# Altium PCB mantarray_beta2_sensor_arrayed.PcbDoc (part 11 of 14) (continued)
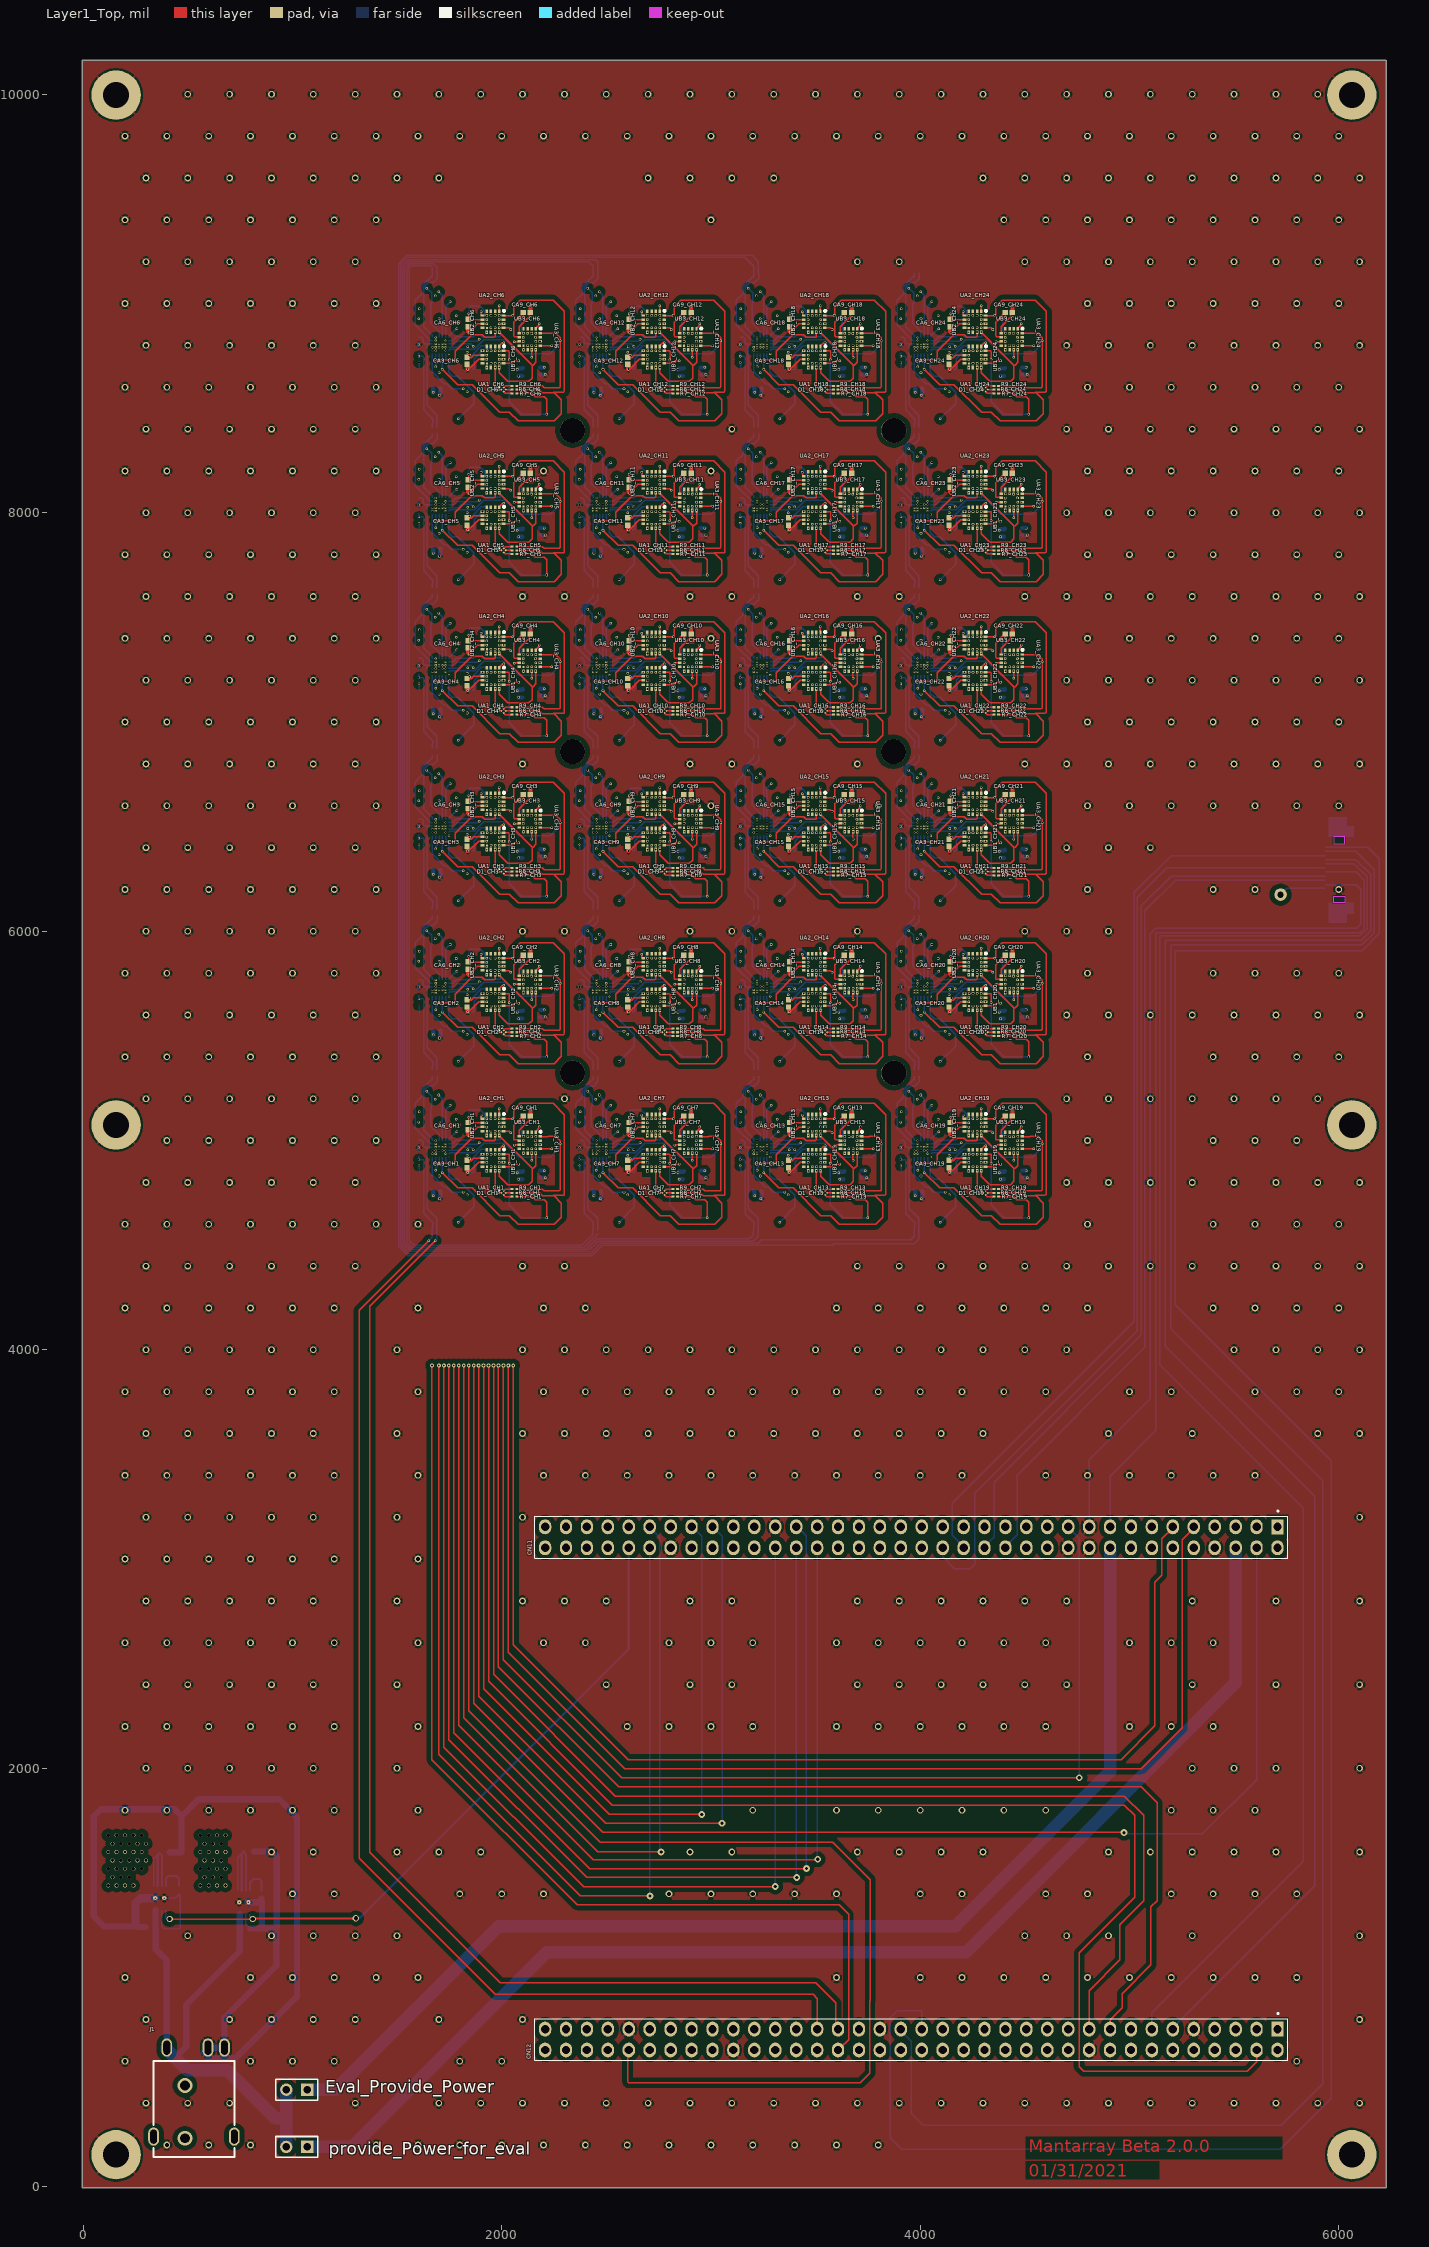
[diagram p0: Layer1_Top view]
## Nets (pads, with @x,y where several pads share a name; then routed paths per layer and width w, separated by ;. In a path a pad name is that pad's centre, name@x,y a point inside that pad or via, vN(x,y) a via of type N, cw(c..) or ccw(c..) an arc to the next point about the centre after c; other vN are vias at no path point) (continued)
  Layer1_Top w6: UB1_CH9.5@2755.91,6491.14 2755.91,6494.09 2770.51,6508.69 2776.41,6508.69 v1(2777.56,6509.84) ; UB2_CH9.5@2755.91,6660.43 v1(2755.91,6687.01) ; UB3_CH9.5@2931.1,6575.79 2931.1,6578.74 2945.7,6593.34 2945.7,6599.25 v1(2946.85,6600.39)
  Layer2_sig1 w6: v1(2755.91,6600.39) 2773.62,6618.11 2791.76,6618.11 2795.28,6621.62 2795.28,6655.93 2764.66,6686.55 2756.36,6686.55 v1(2755.91,6687.01) ; v1(2756.89,6430.82) 2774.89,6448.82 2809.32,6448.82 2812.83,6452.33 2812.83,6488.61 2792.56,6508.89 2778.51,6508.89 v1(2777.56,6509.84) ; v1(2931.1,6515.75) 2958.66,6543.31 2958.66,6588.58 v1(2946.85,6600.39)
  Layer7_sig2 w6: v3(2500,6503.94) 2500.41,6504.35 2614.58,6504.35 2620.08,6509.84 2757.87,6509.84 ; v1(2755.91,6687.01) 2757.43,6687.01 2767.28,6696.85 2836.05,6696.85 2839.57,6693.34 2839.57,6603.35 ; v1(2777.56,6509.84) 2757.87,6509.84 ; v1(2946.85,6600.39) 2933.07,6614.17 2850.39,6614.17 2839.57,6603.35 ; 2757.87,6509.84 2757.87,6515.75 2761.81,6519.69 2809.06,6519.69 2828.74,6539.37 2828.74,6592.52 2839.57,6603.35
spi1_miso_CH10: U1_CH10.C2 UA1_CH10.11 UA2_CH10.11 UA3_CH10.11 UB1_CH10.5 UB2_CH10.5 UB3_CH10.5 | length 1201.4
  Layer1_Top w6: UB1_CH10.5@2755.91,7258.86 2755.91,7261.81 2770.51,7276.41 2776.41,7276.41 v1(2777.56,7277.56) ; UB2_CH10.5@2755.91,7428.15 v1(2755.91,7454.72) ; UB3_CH10.5@2931.1,7343.5 2931.1,7346.46 2945.7,7361.06 2945.7,7366.96 v1(2946.85,7368.11)
  Layer2_sig1 w6: v1(2755.91,7368.11) 2773.62,7385.83 2791.76,7385.83 2795.28,7389.34 2795.28,7423.65 2764.66,7454.27 2756.36,7454.27 v1(2755.91,7454.72) ; v1(2756.89,7198.54) 2774.89,7216.54 2809.32,7216.54 2812.83,7220.05 2812.83,7256.33 2792.56,7276.6 2778.51,7276.6 v1(2777.56,7277.56) ; v1(2931.1,7283.46) 2958.66,7311.02 2958.66,7356.3 v1(2946.85,7368.11)
  Layer7_sig2 w6: v3(2500,7271.65) 2500.41,7272.06 2614.58,7272.06 2620.08,7277.56 2757.87,7277.56 ; v1(2755.91,7454.72) 2757.43,7454.72 2767.28,7464.57 2836.05,7464.57 2839.57,7461.05 2839.57,7371.06 ; v1(2777.56,7277.56) 2757.87,7277.56 ; v1(2946.85,7368.11) 2933.07,7381.89 2850.39,7381.89 2839.57,7371.06 ; 2757.87,7277.56 2757.87,7283.46 2761.81,7287.4 2809.06,7287.4 2828.74,7307.09 2828.74,7360.24 2839.57,7371.06
spi1_miso_CH11: U1_CH11.C2 UA1_CH11.11 UA2_CH11.11 UA3_CH11.11 UB1_CH11.5 UB2_CH11.5 UB3_CH11.5 | length 1201.4
  Layer1_Top w6: UB1_CH11.5@2755.91,8026.57 2755.91,8029.53 2770.51,8044.13 2776.41,8044.13 v1(2777.56,8045.28) ; UB2_CH11.5@2755.91,8195.87 v1(2755.91,8222.44) ; UB3_CH11.5@2931.1,8111.22 2931.1,8114.17 2945.7,8128.77 2945.7,8134.68 v1(2946.85,8135.83)
  Layer2_sig1 w6: v1(2755.91,8135.83) 2773.62,8153.54 2791.76,8153.54 2795.28,8157.06 2795.28,8191.37 2764.66,8221.98 2756.36,8221.98 v1(2755.91,8222.44) ; v1(2756.89,7966.26) 2774.89,7984.25 2809.32,7984.25 2812.83,7987.77 2812.83,8024.04 2792.56,8044.32 2778.51,8044.32 v1(2777.56,8045.28) ; v1(2931.1,8051.18) 2958.66,8078.74 2958.66,8124.02 v1(2946.85,8135.83)
  Layer7_sig2 w6: v3(2500,8039.37) 2500.41,8039.78 2614.58,8039.78 2620.08,8045.28 2757.87,8045.28 ; v1(2755.91,8222.44) 2757.43,8222.44 2767.28,8232.28 2836.05,8232.28 2839.57,8228.77 2839.57,8138.78 ; v1(2777.56,8045.28) 2757.87,8045.28 ; v1(2946.85,8135.83) 2933.07,8149.61 2850.39,8149.61 2839.57,8138.78 ; 2757.87,8045.28 2757.87,8051.18 2761.81,8055.12 2809.06,8055.12 2828.74,8074.8 2828.74,8127.95 2839.57,8138.78
spi1_miso_CH12: U1_CH12.C2 UA1_CH12.11 UA2_CH12.11 UA3_CH12.11 UB1_CH12.5 UB2_CH12.5 UB3_CH12.5 | length 1201.4
  Layer1_Top w6: UB1_CH12.5@2755.91,8794.29 2755.91,8797.24 2770.51,8811.84 2776.41,8811.84 v1(2777.56,8812.99) ; UB2_CH12.5@2755.91,8963.58 v1(2755.91,8990.16) ; UB3_CH12.5@2931.1,8878.94 2931.1,8881.89 2945.7,8896.49 2945.7,8902.4 v1(2946.85,8903.54)
  Layer2_sig1 w6: v1(2755.91,8903.54) 2773.62,8921.26 2791.76,8921.26 2795.28,8924.77 2795.28,8959.08 2764.66,8989.7 2756.36,8989.7 v1(2755.91,8990.16) ; v1(2756.89,8733.97) 2774.89,8751.97 2809.32,8751.97 2812.83,8755.48 2812.83,8791.76 2792.56,8812.04 2778.51,8812.04 v1(2777.56,8812.99) ; v1(2931.1,8818.9) 2958.66,8846.46 2958.66,8891.73 v1(2946.85,8903.54)
  Layer7_sig2 w6: v3(2500,8807.09) 2500.41,8807.5 2614.58,8807.5 2620.08,8812.99 2757.87,8812.99 ; v1(2755.91,8990.16) 2757.43,8990.16 2767.28,9000 2836.05,9000 2839.57,8996.49 2839.57,8906.5 ; v1(2777.56,8812.99) 2757.87,8812.99 ; v1(2946.85,8903.54) 2933.07,8917.32 2850.39,8917.32 2839.57,8906.5 ; 2757.87,8812.99 2757.87,8818.9 2761.81,8822.83 2809.06,8822.83 2828.74,8842.52 2828.74,8895.67 2839.57,8906.5
spi1_miso_CH13: U1_CH13.C2 UA1_CH13.11 UA2_CH13.11 UA3_CH13.11 UB1_CH13.5 UB2_CH13.5 UB3_CH13.5 | length 1201.4
  Layer1_Top w6: UB1_CH13.5@3523.62,4955.71 3523.62,4958.66 3538.22,4973.26 3544.13,4973.26 v1(3545.28,4974.41) ; UB2_CH13.5@3523.62,5125 v1(3523.62,5151.57) ; UB3_CH13.5@3698.82,5040.35 3698.82,5043.31 3713.42,5057.91 3713.42,5063.81 v1(3714.57,5064.96)
  Layer2_sig1 w6: v1(3523.62,5064.96) 3541.34,5082.68 3559.48,5082.68 3562.99,5086.19 3562.99,5120.5 3532.38,5151.12 3524.08,5151.12 v1(3523.62,5151.57) ; v1(3524.61,4895.39) 3542.6,4913.39 3577.04,4913.39 3580.55,4916.9 3580.55,4953.18 3560.28,4973.45 3546.23,4973.45 v1(3545.28,4974.41) ; v1(3698.82,4980.31) 3726.38,5007.87 3726.38,5053.15 v1(3714.57,5064.96)
  Layer7_sig2 w6: v3(3267.72,4968.5) 3268.13,4968.91 3382.3,4968.91 3387.8,4974.41 3525.59,4974.41 ; v1(3523.62,5151.57) 3525.15,5151.57 3534.99,5161.42 3603.77,5161.42 3607.28,5157.9 3607.28,5067.91 ; v1(3545.28,4974.41) 3525.59,4974.41 ; v1(3714.57,5064.96) 3700.79,5078.74 3618.11,5078.74 3607.28,5067.91 ; 3525.59,4974.41 3525.59,4980.31 3529.53,4984.25 3576.77,4984.25 3596.46,5003.94 3596.46,5057.09 3607.28,5067.91
spi1_miso_CH14: U1_CH14.C2 UA1_CH14.11 UA2_CH14.11 UA3_CH14.11 UB1_CH14.5 UB2_CH14.5 UB3_CH14.5 | length 1201.4
  Layer1_Top w6: UB1_CH14.5@3523.62,5723.43 3523.62,5726.38 3538.22,5740.98 3544.13,5740.98 v1(3545.28,5742.13) ; UB2_CH14.5@3523.62,5892.72 v1(3523.62,5919.29) ; UB3_CH14.5@3698.82,5808.07 3698.82,5811.02 3713.42,5825.62 3713.42,5831.53 v1(3714.57,5832.68)
  Layer2_sig1 w6: v1(3523.62,5832.68) 3541.34,5850.39 3559.48,5850.39 3562.99,5853.91 3562.99,5888.22 3532.38,5918.83 3524.08,5918.83 v1(3523.62,5919.29) ; v1(3524.61,5663.11) 3542.6,5681.1 3577.04,5681.1 3580.55,5684.62 3580.55,5720.89 3560.28,5741.17 3546.23,5741.17 v1(3545.28,5742.13) ; v1(3698.82,5748.03) 3726.38,5775.59 3726.38,5820.87 v1(3714.57,5832.68)
  Layer7_sig2 w6: v3(3267.72,5736.22) 3268.13,5736.63 3382.3,5736.63 3387.8,5742.13 3525.59,5742.13 ; v1(3523.62,5919.29) 3525.15,5919.29 3534.99,5929.13 3603.77,5929.13 3607.28,5925.62 3607.28,5835.63 ; v1(3545.28,5742.13) 3525.59,5742.13 ; v1(3714.57,5832.68) 3700.79,5846.46 3618.11,5846.46 3607.28,5835.63 ; 3525.59,5742.13 3525.59,5748.03 3529.53,5751.97 3576.77,5751.97 3596.46,5771.65 3596.46,5824.8 3607.28,5835.63
spi1_miso_CH15: U1_CH15.C2 UA1_CH15.11 UA2_CH15.11 UA3_CH15.11 UB1_CH15.5 UB2_CH15.5 UB3_CH15.5 | length 1201.4
  Layer1_Top w6: UB1_CH15.5@3523.62,6491.14 3523.62,6494.09 3538.22,6508.69 3544.13,6508.69 v1(3545.28,6509.84) ; UB2_CH15.5@3523.62,6660.43 v1(3523.62,6687.01) ; UB3_CH15.5@3698.82,6575.79 3698.82,6578.74 3713.42,6593.34 3713.42,6599.25 v1(3714.57,6600.39)
  Layer2_sig1 w6: v1(3523.62,6600.39) 3541.34,6618.11 3559.48,6618.11 3562.99,6621.62 3562.99,6655.93 3532.38,6686.55 3524.08,6686.55 v1(3523.62,6687.01) ; v1(3524.61,6430.82) 3542.6,6448.82 3577.04,6448.82 3580.55,6452.33 3580.55,6488.61 3560.28,6508.89 3546.23,6508.89 v1(3545.28,6509.84) ; v1(3698.82,6515.75) 3726.38,6543.31 3726.38,6588.58 v1(3714.57,6600.39)
  Layer7_sig2 w6: v3(3267.72,6503.94) 3268.13,6504.35 3382.3,6504.35 3387.8,6509.84 3525.59,6509.84 ; v1(3523.62,6687.01) 3525.15,6687.01 3534.99,6696.85 3603.77,6696.85 3607.28,6693.34 3607.28,6603.35 ; v1(3545.28,6509.84) 3525.59,6509.84 ; v1(3714.57,6600.39) 3700.79,6614.17 3618.11,6614.17 3607.28,6603.35 ; 3525.59,6509.84 3525.59,6515.75 3529.53,6519.69 3576.77,6519.69 3596.46,6539.37 3596.46,6592.52 3607.28,6603.35
spi1_miso_CH16: U1_CH16.C2 UA1_CH16.11 UA2_CH16.11 UA3_CH16.11 UB1_CH16.5 UB2_CH16.5 UB3_CH16.5 | length 1201.4
  Layer1_Top w6: UB1_CH16.5@3523.62,7258.86 3523.62,7261.81 3538.22,7276.41 3544.13,7276.41 v1(3545.28,7277.56) ; UB2_CH16.5@3523.62,7428.15 v1(3523.62,7454.72) ; UB3_CH16.5@3698.82,7343.5 3698.82,7346.46 3713.42,7361.06 3713.42,7366.96 v1(3714.57,7368.11)
  Layer2_sig1 w6: v1(3523.62,7368.11) 3541.34,7385.83 3559.48,7385.83 3562.99,7389.34 3562.99,7423.65 3532.38,7454.27 3524.08,7454.27 v1(3523.62,7454.72) ; v1(3524.61,7198.54) 3542.6,7216.54 3577.04,7216.54 3580.55,7220.05 3580.55,7256.33 3560.28,7276.6 3546.23,7276.6 v1(3545.28,7277.56) ; v1(3698.82,7283.46) 3726.38,7311.02 3726.38,7356.3 v1(3714.57,7368.11)
  Layer7_sig2 w6: v3(3267.72,7271.65) 3268.13,7272.06 3382.3,7272.06 3387.8,7277.56 3525.59,7277.56 ; v1(3523.62,7454.72) 3525.15,7454.72 3534.99,7464.57 3603.77,7464.57 3607.28,7461.05 3607.28,7371.06 ; v1(3545.28,7277.56) 3525.59,7277.56 ; v1(3714.57,7368.11) 3700.79,7381.89 3618.11,7381.89 3607.28,7371.06 ; 3525.59,7277.56 3525.59,7283.46 3529.53,7287.4 3576.77,7287.4 3596.46,7307.09 3596.46,7360.24 3607.28,7371.06
spi1_miso_CH17: U1_CH17.C2 UA1_CH17.11 UA2_CH17.11 UA3_CH17.11 UB1_CH17.5 UB2_CH17.5 UB3_CH17.5 | length 1201.4
  Layer1_Top w6: UB1_CH17.5@3523.62,8026.57 3523.62,8029.53 3538.22,8044.13 3544.13,8044.13 v1(3545.28,8045.28) ; UB2_CH17.5@3523.62,8195.87 v1(3523.62,8222.44) ; UB3_CH17.5@3698.82,8111.22 3698.82,8114.17 3713.42,8128.77 3713.42,8134.68 v1(3714.57,8135.83)
  Layer2_sig1 w6: v1(3523.62,8135.83) 3541.34,8153.54 3559.48,8153.54 3562.99,8157.06 3562.99,8191.37 3532.38,8221.98 3524.08,8221.98 v1(3523.62,8222.44) ; v1(3524.61,7966.26) 3542.6,7984.25 3577.04,7984.25 3580.55,7987.77 3580.55,8024.04 3560.28,8044.32 3546.23,8044.32 v1(3545.28,8045.28) ; v1(3698.82,8051.18) 3726.38,8078.74 3726.38,8124.02 v1(3714.57,8135.83)
  Layer7_sig2 w6: v3(3267.72,8039.37) 3268.13,8039.78 3382.3,8039.78 3387.8,8045.28 3525.59,8045.28 ; v1(3523.62,8222.44) 3525.15,8222.44 3534.99,8232.28 3603.77,8232.28 3607.28,8228.77 3607.28,8138.78 ; v1(3545.28,8045.28) 3525.59,8045.28 ; v1(3714.57,8135.83) 3700.79,8149.61 3618.11,8149.61 3607.28,8138.78 ; 3525.59,8045.28 3525.59,8051.18 3529.53,8055.12 3576.77,8055.12 3596.46,8074.8 3596.46,8127.95 3607.28,8138.78
spi1_miso_CH18: U1_CH18.C2 UA1_CH18.11 UA2_CH18.11 UA3_CH18.11 UB1_CH18.5 UB2_CH18.5 UB3_CH18.5 | length 1201.4
  Layer1_Top w6: UB1_CH18.5@3523.62,8794.29 3523.62,8797.24 3538.22,8811.84 3544.13,8811.84 v1(3545.28,8812.99) ; UB2_CH18.5@3523.62,8963.58 v1(3523.62,8990.16) ; UB3_CH18.5@3698.82,8878.94 3698.82,8881.89 3713.42,8896.49 3713.42,8902.4 v1(3714.57,8903.54)
  Layer2_sig1 w6: v1(3523.62,8903.54) 3541.34,8921.26 3559.48,8921.26 3562.99,8924.77 3562.99,8959.08 3532.38,8989.7 3524.08,8989.7 v1(3523.62,8990.16) ; v1(3524.61,8733.97) 3542.6,8751.97 3577.04,8751.97 3580.55,8755.48 3580.55,8791.76 3560.28,8812.04 3546.23,8812.04 v1(3545.28,8812.99) ; v1(3698.82,8818.9) 3726.38,8846.46 3726.38,8891.73 v1(3714.57,8903.54)
  Layer7_sig2 w6: v3(3267.72,8807.09) 3268.13,8807.5 3382.3,8807.5 3387.8,8812.99 3525.59,8812.99 ; v1(3523.62,8990.16) 3525.15,8990.16 3534.99,9000 3603.77,9000 3607.28,8996.49 3607.28,8906.5 ; v1(3545.28,8812.99) 3525.59,8812.99 ; v1(3714.57,8903.54) 3700.79,8917.32 3618.11,8917.32 3607.28,8906.5 ; 3525.59,8812.99 3525.59,8818.9 3529.53,8822.83 3576.77,8822.83 3596.46,8842.52 3596.46,8895.67 3607.28,8906.5
spi1_miso_CH19: U1_CH19.C2 UA1_CH19.11 UA2_CH19.11 UA3_CH19.11 UB1_CH19.5 UB2_CH19.5 UB3_CH19.5 | length 1201.4
  Layer1_Top w6: UB1_CH19.5@4291.34,4955.71 4291.34,4958.66 4305.94,4973.26 4311.84,4973.26 v1(4312.99,4974.41) ; UB2_CH19.5@4291.34,5125 v1(4291.34,5151.57) ; UB3_CH19.5@4466.54,5040.35 4466.54,5043.31 4481.14,5057.91 4481.14,5063.81 v1(4482.28,5064.96)
  Layer2_sig1 w6: v1(4291.34,5064.96) 4309.06,5082.68 4327.19,5082.68 4330.71,5086.19 4330.71,5120.5 4300.09,5151.12 4291.8,5151.12 v1(4291.34,5151.57) ; v1(4292.32,4895.39) 4310.32,4913.39 4344.75,4913.39 4348.27,4916.9 4348.27,4953.18 4327.99,4973.45 4313.95,4973.45 v1(4312.99,4974.41) ; v1(4466.54,4980.31) 4494.09,5007.87 4494.09,5053.15 v1(4482.28,5064.96)
  Layer7_sig2 w6: v3(4035.43,4968.5) 4035.84,4968.91 4150.02,4968.91 4155.51,4974.41 4293.31,4974.41 ; v1(4291.34,5151.57) 4292.87,5151.57 4302.71,5161.42 4371.49,5161.42 4375,5157.9 4375,5067.91 ; v1(4312.99,4974.41) 4293.31,4974.41 ; v1(4482.28,5064.96) 4468.5,5078.74 4385.83,5078.74 4375,5067.91 ; 4293.31,4974.41 4293.31,4980.31 4297.24,4984.25 4344.49,4984.25 4364.17,5003.94 4364.17,5057.09 4375,5067.91
spi1_miso_CH20: U1_CH20.C2 UA1_CH20.11 UA2_CH20.11 UA3_CH20.11 UB1_CH20.5 UB2_CH20.5 UB3_CH20.5 | length 1201.4
  Layer1_Top w6: UB1_CH20.5@4291.34,5723.43 4291.34,5726.38 4305.94,5740.98 4311.84,5740.98 v1(4312.99,5742.13) ; UB2_CH20.5@4291.34,5892.72 v1(4291.34,5919.29) ; UB3_CH20.5@4466.54,5808.07 4466.54,5811.02 4481.14,5825.62 4481.14,5831.53 v1(4482.28,5832.68)
  Layer2_sig1 w6: v1(4291.34,5832.68) 4309.06,5850.39 4327.19,5850.39 4330.71,5853.91 4330.71,5888.22 4300.09,5918.83 4291.8,5918.83 v1(4291.34,5919.29) ; v1(4292.32,5663.11) 4310.32,5681.1 4344.75,5681.1 4348.27,5684.62 4348.27,5720.89 4327.99,5741.17 4313.95,5741.17 v1(4312.99,5742.13) ; v1(4466.54,5748.03) 4494.09,5775.59 4494.09,5820.87 v1(4482.28,5832.68)
  Layer7_sig2 w6: v3(4035.43,5736.22) 4035.84,5736.63 4150.02,5736.63 4155.51,5742.13 4293.31,5742.13 ; v1(4291.34,5919.29) 4292.87,5919.29 4302.71,5929.13 4371.49,5929.13 4375,5925.62 4375,5835.63 ; v1(4312.99,5742.13) 4293.31,5742.13 ; v1(4482.28,5832.68) 4468.5,5846.46 4385.83,5846.46 4375,5835.63 ; 4293.31,5742.13 4293.31,5748.03 4297.24,5751.97 4344.49,5751.97 4364.17,5771.65 4364.17,5824.8 4375,5835.63
spi1_miso_CH21: U1_CH21.C2 UA1_CH21.11 UA2_CH21.11 UA3_CH21.11 UB1_CH21.5 UB2_CH21.5 UB3_CH21.5 | length 1201.4
  Layer1_Top w6: UB1_CH21.5@4291.34,6491.14 4291.34,6494.09 4305.94,6508.69 4311.84,6508.69 v1(4312.99,6509.84) ; UB2_CH21.5@4291.34,6660.43 v1(4291.34,6687.01) ; UB3_CH21.5@4466.54,6575.79 4466.54,6578.74 4481.14,6593.34 4481.14,6599.25 v1(4482.28,6600.39)
  Layer2_sig1 w6: v1(4291.34,6600.39) 4309.06,6618.11 4327.19,6618.11 4330.71,6621.62 4330.71,6655.93 4300.09,6686.55 4291.8,6686.55 v1(4291.34,6687.01) ; v1(4292.32,6430.82) 4310.32,6448.82 4344.75,6448.82 4348.27,6452.33 4348.27,6488.61 4327.99,6508.89 4313.95,6508.89 v1(4312.99,6509.84) ; v1(4466.54,6515.75) 4494.09,6543.31 4494.09,6588.58 v1(4482.28,6600.39)
  Layer7_sig2 w6: v3(4035.43,6503.94) 4035.84,6504.35 4150.02,6504.35 4155.51,6509.84 4293.31,6509.84 ; v1(4291.34,6687.01) 4292.87,6687.01 4302.71,6696.85 4371.49,6696.85 4375,6693.34 4375,6603.35 ; v1(4312.99,6509.84) 4293.31,6509.84 ; v1(4482.28,6600.39) 4468.5,6614.17 4385.83,6614.17 4375,6603.35 ; 4293.31,6509.84 4293.31,6515.75 4297.24,6519.69 4344.49,6519.69 4364.17,6539.37 4364.17,6592.52 4375,6603.35
spi1_miso_CH22: U1_CH22.C2 UA1_CH22.11 UA2_CH22.11 UA3_CH22.11 UB1_CH22.5 UB2_CH22.5 UB3_CH22.5 | length 1201.4
  Layer1_Top w6: UB1_CH22.5@4291.34,7258.86 4291.34,7261.81 4305.94,7276.41 4311.84,7276.41 v1(4312.99,7277.56) ; UB2_CH22.5@4291.34,7428.15 v1(4291.34,7454.72) ; UB3_CH22.5@4466.54,7343.5 4466.54,7346.46 4481.14,7361.06 4481.14,7366.96 v1(4482.28,7368.11)
  Layer2_sig1 w6: v1(4291.34,7368.11) 4309.06,7385.83 4327.19,7385.83 4330.71,7389.34 4330.71,7423.65 4300.09,7454.27 4291.8,7454.27 v1(4291.34,7454.72) ; v1(4292.32,7198.54) 4310.32,7216.54 4344.75,7216.54 4348.27,7220.05 4348.27,7256.33 4327.99,7276.6 4313.95,7276.6 v1(4312.99,7277.56) ; v1(4466.54,7283.46) 4494.09,7311.02 4494.09,7356.3 v1(4482.28,7368.11)
  Layer7_sig2 w6: v3(4035.43,7271.65) 4035.84,7272.06 4150.02,7272.06 4155.51,7277.56 4293.31,7277.56 ; v1(4291.34,7454.72) 4292.87,7454.72 4302.71,7464.57 4371.49,7464.57 4375,7461.05 4375,7371.06 ; v1(4312.99,7277.56) 4293.31,7277.56 ; v1(4482.28,7368.11) 4468.5,7381.89 4385.83,7381.89 4375,7371.06 ; 4293.31,7277.56 4293.31,7283.46 4297.24,7287.4 4344.49,7287.4 4364.17,7307.09 4364.17,7360.24 4375,7371.06
spi1_miso_CH23: U1_CH23.C2 UA1_CH23.11 UA2_CH23.11 UA3_CH23.11 UB1_CH23.5 UB2_CH23.5 UB3_CH23.5 | length 1201.4
  Layer1_Top w6: UB1_CH23.5@4291.34,8026.57 4291.34,8029.53 4305.94,8044.13 4311.84,8044.13 v1(4312.99,8045.28) ; UB2_CH23.5@4291.34,8195.87 v1(4291.34,8222.44) ; UB3_CH23.5@4466.54,8111.22 4466.54,8114.17 4481.14,8128.77 4481.14,8134.68 v1(4482.28,8135.83)
  Layer2_sig1 w6: v1(4291.34,8135.83) 4309.06,8153.54 4327.19,8153.54 4330.71,8157.06 4330.71,8191.37 4300.09,8221.98 4291.8,8221.98 v1(4291.34,8222.44) ; v1(4292.32,7966.26) 4310.32,7984.25 4344.75,7984.25 4348.27,7987.77 4348.27,8024.04 4327.99,8044.32 4313.95,8044.32 v1(4312.99,8045.28) ; v1(4466.54,8051.18) 4494.09,8078.74 4494.09,8124.02 v1(4482.28,8135.83)
  Layer7_sig2 w6: v3(4035.43,8039.37) 4035.84,8039.78 4150.02,8039.78 4155.51,8045.28 4293.31,8045.28 ; v1(4291.34,8222.44) 4292.87,8222.44 4302.71,8232.28 4371.49,8232.28 4375,8228.77 4375,8138.78 ; v1(4312.99,8045.28) 4293.31,8045.28 ; v1(4482.28,8135.83) 4468.5,8149.61 4385.83,8149.61 4375,8138.78 ; 4293.31,8045.28 4293.31,8051.18 4297.24,8055.12 4344.49,8055.12 4364.17,8074.8 4364.17,8127.95 4375,8138.78
spi1_miso_CH24: U1_CH24.C2 UA1_CH24.11 UA2_CH24.11 UA3_CH24.11 UB1_CH24.5 UB2_CH24.5 UB3_CH24.5 | length 1201.4
  Layer1_Top w6: UB1_CH24.5@4291.34,8794.29 4291.34,8797.24 4305.94,8811.84 4311.84,8811.84 v1(4312.99,8812.99) ; UB2_CH24.5@4291.34,8963.58 v1(4291.34,8990.16) ; UB3_CH24.5@4466.54,8878.94 4466.54,8881.89 4481.14,8896.49 4481.14,8902.4 v1(4482.28,8903.54)
  Layer2_sig1 w6: v1(4291.34,8903.54) 4309.06,8921.26 4327.19,8921.26 4330.71,8924.77 4330.71,8959.08 4300.09,8989.7 4291.8,8989.7 v1(4291.34,8990.16) ; v1(4292.32,8733.97) 4310.32,8751.97 4344.75,8751.97 4348.27,8755.48 4348.27,8791.76 4327.99,8812.04 4313.95,8812.04 v1(4312.99,8812.99) ; v1(4466.54,8818.9) 4494.09,8846.46 4494.09,8891.73 v1(4482.28,8903.54)
  Layer7_sig2 w6: v3(4035.43,8807.09) 4035.84,8807.5 4150.02,8807.5 4155.51,8812.99 4293.31,8812.99 ; v1(4291.34,8990.16) 4292.87,8990.16 4302.71,9000 4371.49,9000 4375,8996.49 4375,8906.5 ; v1(4312.99,8812.99) 4293.31,8812.99 ; v1(4482.28,8903.54) 4468.5,8917.32 4385.83,8917.32 4375,8906.5 ; 4293.31,8812.99 4293.31,8818.9 4297.24,8822.83 4344.49,8822.83 4364.17,8842.52 4364.17,8895.67 4375,8906.5
spi1_mosi_CH1: U1_CH1.B1 UA1_CH1.9 UA2_CH1.9 UA3_CH1.9 UB1_CH1.16 UB2_CH1.16 UB3_CH1.16 | length 941.5
  Layer1_Top w6: v1(1988.19,5025.59) 1988.19,5023.52 2145.1,4866.6 ; v1(1988.68,4855.73) 1988.68,4830.22 2029.53,4789.37 2129.92,4789.37 2145.1,4804.55 2145.1,4866.6 ; v1(2163.39,4940.94) 2163.39,4879.92 2150.07,4866.6 2145.1,4866.6
  Layer2_sig1 w6: v1(1968.5,5045.28) v1(1988.19,5025.59) ; v1(1969,4875.21) 1969.1,4875.21 1988.58,4855.73 v1(1988.68,4855.73) ; v1(2143.7,4960.63) v1(2163.39,4940.94)
  Layer8_BOT w6: U1_CH1.B1@1748.03,4984.25 1748.57,4984.79 1766.29,4984.79 1783.46,5001.97 1864.17,5001.97 1874.02,5011.81 1899.61,5011.81 1901.56,5009.86 1907.48,5003.94 1992.13,5003.94 1992.13,5021.65 v1(1988.19,5025.59)
spi1_mosi_CH2: U1_CH2.B1 UA1_CH2.9 UA2_CH2.9 UA3_CH2.9 UB1_CH2.16 UB2_CH2.16 UB3_CH2.16 | length 941.5
  Layer1_Top w6: v1(1988.19,5793.31) 1988.19,5791.23 2145.1,5634.32 ; v1(1988.68,5623.44) 1988.68,5597.93 2029.53,5557.09 2129.92,5557.09 2145.1,5572.26 2145.1,5634.32 ; v1(2163.39,5708.66) 2163.39,5647.64 2150.07,5634.32 2145.1,5634.32
  Layer2_sig1 w6: v1(1968.5,5812.99) v1(1988.19,5793.31) ; v1(1969,5642.92) 1969.1,5642.92 1988.58,5623.44 v1(1988.68,5623.44) ; v1(2143.7,5728.35) v1(2163.39,5708.66)
  Layer8_BOT w6: U1_CH2.B1@1748.03,5751.97 1748.57,5752.51 1766.29,5752.51 1783.46,5769.69 1864.17,5769.69 1874.02,5779.53 1899.61,5779.53 1901.56,5777.58 1907.48,5771.65 1992.13,5771.65 1992.13,5789.37 v1(1988.19,5793.31)
spi1_mosi_CH3: U1_CH3.B1 UA1_CH3.9 UA2_CH3.9 UA3_CH3.9 UB1_CH3.16 UB2_CH3.16 UB3_CH3.16 | length 941.5
  Layer1_Top w6: v1(1988.19,6561.02) 1988.19,6558.95 2145.1,6402.04 ; v1(1988.68,6391.16) 1988.68,6365.65 2029.53,6324.8 2129.92,6324.8 2145.1,6339.98 2145.1,6402.04 ; v1(2163.39,6476.38) 2163.39,6415.35 2150.07,6402.04 2145.1,6402.04
  Layer2_sig1 w6: v1(1968.5,6580.71) v1(1988.19,6561.02) ; v1(1969,6410.64) 1969.1,6410.64 1988.58,6391.16 v1(1988.68,6391.16) ; v1(2143.7,6496.06) v1(2163.39,6476.38)
  Layer8_BOT w6: U1_CH3.B1@1748.03,6519.68 1748.57,6520.22 1766.29,6520.22 1783.46,6537.4 1864.17,6537.4 1874.02,6547.24 1899.61,6547.24 1901.56,6545.29 1907.48,6539.37 1992.13,6539.37 1992.13,6557.09 v1(1988.19,6561.02)
spi1_mosi_CH4: U1_CH4.B1 UA1_CH4.9 UA2_CH4.9 UA3_CH4.9 UB1_CH4.16 UB2_CH4.16 UB3_CH4.16 | length 941.5
  Layer1_Top w6: v1(1988.19,7328.74) 1988.19,7326.66 2145.1,7169.75 ; v1(1988.68,7158.88) 1988.68,7133.37 2029.53,7092.52 2129.92,7092.52 2145.1,7107.7 2145.1,7169.75 ; v1(2163.39,7244.09) 2163.39,7183.07 2150.07,7169.75 2145.1,7169.75
  Layer2_sig1 w6: v1(1968.5,7348.43) v1(1988.19,7328.74) ; v1(1969,7178.36) 1969.1,7178.36 1988.58,7158.88 v1(1988.68,7158.88) ; v1(2143.7,7263.78) v1(2163.39,7244.09)
  Layer8_BOT w6: U1_CH4.B1@1748.03,7287.4 1748.57,7287.94 1766.29,7287.94 1783.46,7305.12 1864.17,7305.12 1874.02,7314.96 1899.61,7314.96 1901.56,7313.01 1907.48,7307.09 1992.13,7307.09 1992.13,7324.8 v1(1988.19,7328.74)
spi1_mosi_CH5: U1_CH5.B1 UA1_CH5.9 UA2_CH5.9 UA3_CH5.9 UB1_CH5.16 UB2_CH5.16 UB3_CH5.16 | length 941.5
  Layer1_Top w6: v1(1988.19,8096.46) 1988.19,8094.38 2145.1,7937.47 ; v1(1988.68,7926.59) 1988.68,7901.08 2029.53,7860.24 2129.92,7860.24 2145.1,7875.41 2145.1,7937.47 ; v1(2163.39,8011.81) 2163.39,7950.79 2150.07,7937.47 2145.1,7937.47
  Layer2_sig1 w6: v1(1968.5,8116.14) v1(1988.19,8096.46) ; v1(1969,7946.07) 1969.1,7946.07 1988.58,7926.59 v1(1988.68,7926.59) ; v1(2143.7,8031.5) v1(2163.39,8011.81)
  Layer8_BOT w6: U1_CH5.B1@1748.03,8055.12 1748.57,8055.66 1766.29,8055.66 1783.46,8072.83 1864.17,8072.83 1874.02,8082.68 1899.61,8082.68 1901.56,8080.73 1907.48,8074.8 1992.13,8074.8 1992.13,8092.52 v1(1988.19,8096.46)
spi1_mosi_CH6: U1_CH6.B1 UA1_CH6.9 UA2_CH6.9 UA3_CH6.9 UB1_CH6.16 UB2_CH6.16 UB3_CH6.16 | length 941.5
  Layer1_Top w6: v1(1988.19,8864.17) 1988.19,8862.1 2145.1,8705.19 ; v1(1988.68,8694.31) 1988.68,8668.8 2029.53,8627.95 2129.92,8627.95 2145.1,8643.13 2145.1,8705.19 ; v1(2163.39,8779.53) 2163.39,8718.5 2150.07,8705.19 2145.1,8705.19
  Layer2_sig1 w6: v1(1968.5,8883.86) v1(1988.19,8864.17) ; v1(1969,8713.79) 1969.1,8713.79 1988.58,8694.31 v1(1988.68,8694.31) ; v1(2143.7,8799.21) v1(2163.39,8779.53)
  Layer8_BOT w6: U1_CH6.B1@1748.03,8822.83 1748.57,8823.37 1766.29,8823.37 1783.46,8840.55 1864.17,8840.55 1874.02,8850.39 1899.61,8850.39 1901.56,8848.44 1907.48,8842.52 1992.13,8842.52 1992.13,8860.24 v1(1988.19,8864.17)
spi1_mosi_CH7: U1_CH7.B1 UA1_CH7.9 UA2_CH7.9 UA3_CH7.9 UB1_CH7.16 UB2_CH7.16 UB3_CH7.16 | length 941.5
  Layer1_Top w6: v1(2755.91,5025.59) 2755.91,5023.52 2912.82,4866.6 ; v1(2756.4,4855.73) 2756.4,4830.22 2797.24,4789.37 2897.64,4789.37 2912.82,4804.55 2912.82,4866.6 ; v1(2931.1,4940.94) 2931.1,4879.92 2917.79,4866.6 2912.82,4866.6
  Layer2_sig1 w6: v1(2736.22,5045.28) v1(2755.91,5025.59) ; v1(2736.71,4875.21) 2736.82,4875.21 2756.3,4855.73 v1(2756.4,4855.73) ; v1(2911.42,4960.63) v1(2931.1,4940.94)
  Layer8_BOT w6: U1_CH7.B1@2515.75,4984.25 2516.29,4984.79 2534,4984.79 2551.18,5001.97 2631.89,5001.97 2641.73,5011.81 2667.32,5011.81 2669.27,5009.86 2675.2,5003.94 2759.84,5003.94 2759.84,5021.65 v1(2755.91,5025.59)
spi1_mosi_CH8: U1_CH8.B1 UA1_CH8.9 UA2_CH8.9 UA3_CH8.9 UB1_CH8.16 UB2_CH8.16 UB3_CH8.16 | length 941.5
  Layer1_Top w6: v1(2755.91,5793.31) 2755.91,5791.23 2912.82,5634.32 ; v1(2756.4,5623.44) 2756.4,5597.93 2797.24,5557.09 2897.64,5557.09 2912.82,5572.26 2912.82,5634.32 ; v1(2931.1,5708.66) 2931.1,5647.64 2917.79,5634.32 2912.82,5634.32
  Layer2_sig1 w6: v1(2736.22,5812.99) v1(2755.91,5793.31) ; v1(2736.71,5642.92) 2736.82,5642.92 2756.3,5623.44 v1(2756.4,5623.44) ; v1(2911.42,5728.35) v1(2931.1,5708.66)
  Layer8_BOT w6: U1_CH8.B1@2515.75,5751.97 2516.29,5752.51 2534,5752.51 2551.18,5769.69 2631.89,5769.69 2641.73,5779.53 2667.32,5779.53 2669.27,5777.58 2675.2,5771.65 2759.84,5771.65 2759.84,5789.37 v1(2755.91,5793.31)
spi1_mosi_CH9: U1_CH9.B1 UA1_CH9.9 UA2_CH9.9 UA3_CH9.9 UB1_CH9.16 UB2_CH9.16 UB3_CH9.16 | length 941.5
  Layer1_Top w6: v1(2755.91,6561.02) 2755.91,6558.95 2912.82,6402.04 ; v1(2756.4,6391.16) 2756.4,6365.65 2797.24,6324.8 2897.64,6324.8 2912.82,6339.98 2912.82,6402.04 ; v1(2931.1,6476.38) 2931.1,6415.35 2917.79,6402.04 2912.82,6402.04
  Layer2_sig1 w6: v1(2736.22,6580.71) v1(2755.91,6561.02) ; v1(2736.71,6410.64) 2736.82,6410.64 2756.3,6391.16 v1(2756.4,6391.16) ; v1(2911.42,6496.06) v1(2931.1,6476.38)
  Layer8_BOT w6: U1_CH9.B1@2515.75,6519.68 2516.29,6520.22 2534,6520.22 2551.18,6537.4 2631.89,6537.4 2641.73,6547.24 2667.32,6547.24 2669.27,6545.29 2675.2,6539.37 2759.84,6539.37 2759.84,6557.09 v1(2755.91,6561.02)
spi1_mosi_CH10: U1_CH10.B1 UA1_CH10.9 UA2_CH10.9 UA3_CH10.9 UB1_CH10.16 UB2_CH10.16 UB3_CH10.16 | length 941.5
  Layer1_Top w6: v1(2755.91,7328.74) 2755.91,7326.66 2912.82,7169.75 ; v1(2756.4,7158.88) 2756.4,7133.37 2797.24,7092.52 2897.64,7092.52 2912.82,7107.7 2912.82,7169.75 ; v1(2931.1,7244.09) 2931.1,7183.07 2917.79,7169.75 2912.82,7169.75
  Layer2_sig1 w6: v1(2736.22,7348.43) v1(2755.91,7328.74) ; v1(2736.71,7178.36) 2736.82,7178.36 2756.3,7158.88 v1(2756.4,7158.88) ; v1(2911.42,7263.78) v1(2931.1,7244.09)
  Layer8_BOT w6: U1_CH10.B1@2515.75,7287.4 2516.29,7287.94 2534,7287.94 2551.18,7305.12 2631.89,7305.12 2641.73,7314.96 2667.32,7314.96 2669.27,7313.01 2675.2,7307.09 2759.84,7307.09 2759.84,7324.8 v1(2755.91,7328.74)
spi1_mosi_CH11: U1_CH11.B1 UA1_CH11.9 UA2_CH11.9 UA3_CH11.9 UB1_CH11.16 UB2_CH11.16 UB3_CH11.16 | length 941.5
  Layer1_Top w6: v1(2755.91,8096.46) 2755.91,8094.38 2912.82,7937.47 ; v1(2756.4,7926.59) 2756.4,7901.08 2797.24,7860.24 2897.64,7860.24 2912.82,7875.41 2912.82,7937.47 ; v1(2931.1,8011.81) 2931.1,7950.79 2917.79,7937.47 2912.82,7937.47
  Layer2_sig1 w6: v1(2736.22,8116.14) v1(2755.91,8096.46) ; v1(2736.71,7946.07) 2736.82,7946.07 2756.3,7926.59 v1(2756.4,7926.59) ; v1(2911.42,8031.5) v1(2931.1,8011.81)
  Layer8_BOT w6: U1_CH11.B1@2515.75,8055.12 2516.29,8055.66 2534,8055.66 2551.18,8072.83 2631.89,8072.83 2641.73,8082.68 2667.32,8082.68 2669.27,8080.73 2675.2,8074.8 2759.84,8074.8 2759.84,8092.52 v1(2755.91,8096.46)
spi1_mosi_CH12: U1_CH12.B1 UA1_CH12.9 UA2_CH12.9 UA3_CH12.9 UB1_CH12.16 UB2_CH12.16 UB3_CH12.16 | length 941.5
  Layer1_Top w6: v1(2755.91,8864.17) 2755.91,8862.1 2912.82,8705.19 ; v1(2756.4,8694.31) 2756.4,8668.8 2797.24,8627.95 2897.64,8627.95 2912.82,8643.13 2912.82,8705.19 ; v1(2931.1,8779.53) 2931.1,8718.5 2917.79,8705.19 2912.82,8705.19
  Layer2_sig1 w6: v1(2736.22,8883.86) v1(2755.91,8864.17) ; v1(2736.71,8713.79) 2736.82,8713.79 2756.3,8694.31 v1(2756.4,8694.31) ; v1(2911.42,8799.21) v1(2931.1,8779.53)
  Layer8_BOT w6: U1_CH12.B1@2515.75,8822.83 2516.29,8823.37 2534,8823.37 2551.18,8840.55 2631.89,8840.55 2641.73,8850.39 2667.32,8850.39 2669.27,8848.44 2675.2,8842.52 2759.84,8842.52 2759.84,8860.24 v1(2755.91,8864.17)